# Altium PCB Layout.PcbDoc (part 2 of 3) (continued)
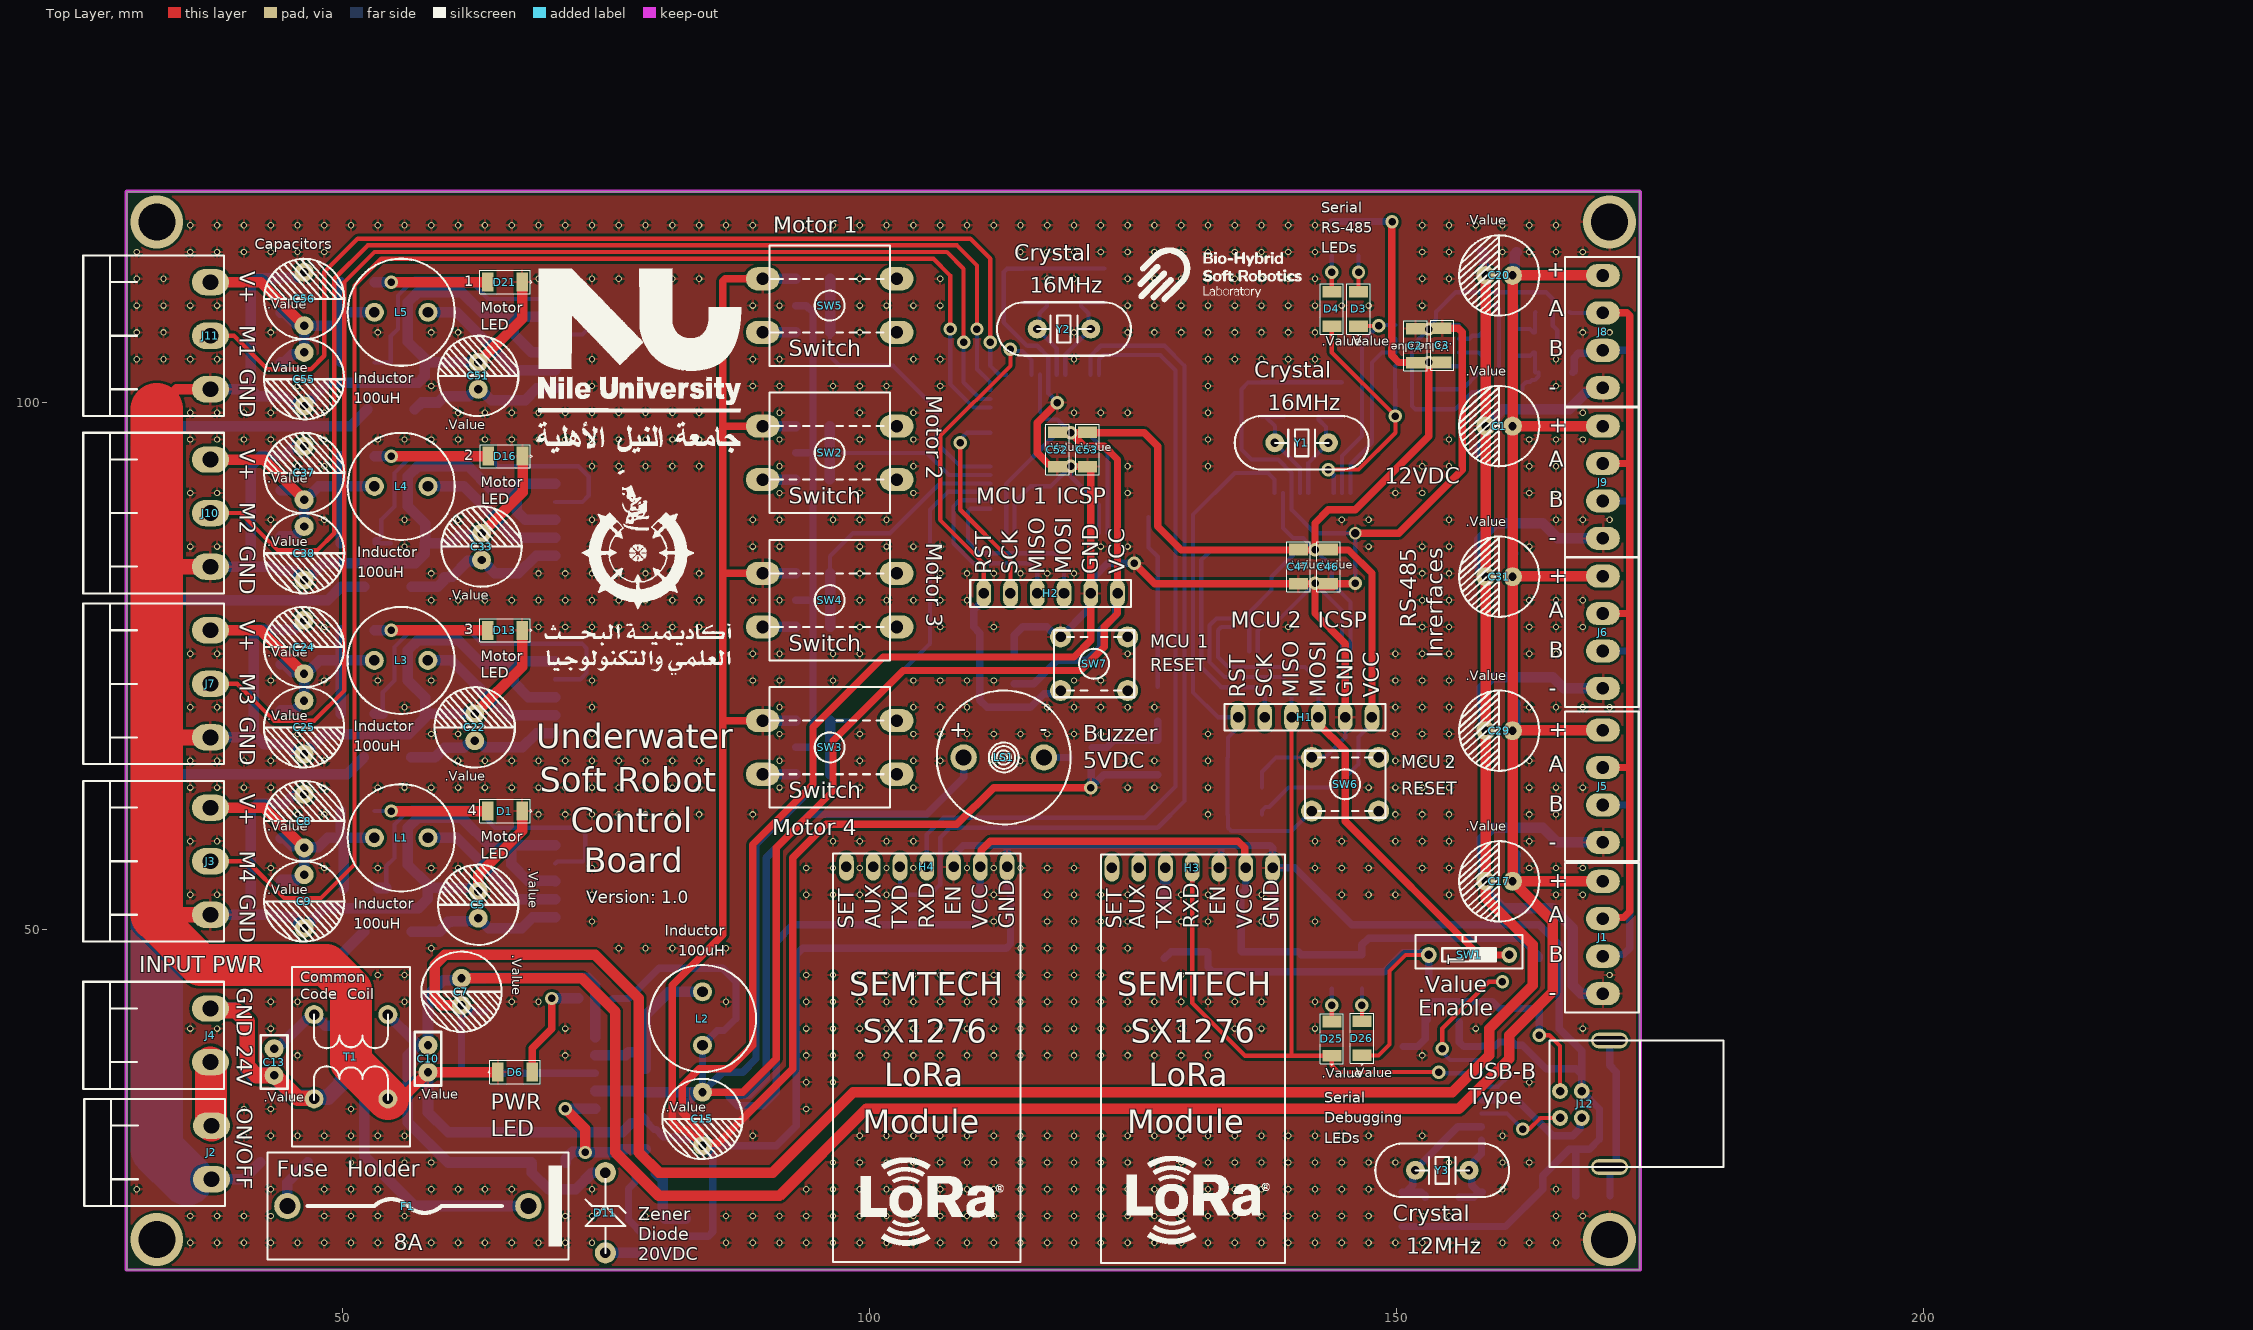
[diagram p0: Top Layer view]
## Nets (pads, with @x,y where several pads share a name; then routed paths per layer and width w, separated by ;. In a path a pad name is that pad's centre, name@x,y a point inside that pad or via, vN(x,y) a via of type N, cw(c..) or ccw(c..) an arc to the next point about the centre after c; other vN are vias at no path point) (continued)
  other v4: 170.18,20.637 170.18,117.157
NetC5_1: C5.1 C6.2 D2.2 VR1.1 | length 15.1
  Bottom Layer w1: D2.2@56.542,49.847 59.192,49.847 59.925,50.58 59.925,50.713 59.975,50.763 C6.2@60.325,50.763 60.375,50.813 62.344,50.813 62.649,51.117 62.898,51.117 63.851,50.165 66.992,50.165 68.038,51.21 VR1.1@70.175,51.21
NetC8_1: C8.1 C9.1 C11.2 C12.2 J3.3 L1.2 R3.1 R5.2 | length 31.4
  Top Layer w1: J3.3@37.465,61.595 42.545,61.595 C8.1@46.355,57.785
  Bottom Layer w1: J3.3@37.465,61.595 J3.3@37.965,61.595 ; C11.2@44.133,54.685 44.182,54.735 45.629,54.735 46.139,55.245 C9.1@46.355,55.245 C8.1@46.355,57.785 46.417,57.847 47.687,57.847 48.578,58.737 49.847,58.737 ; C12.2@44.133,58.7 44.482,58.7 45.244,57.938 ; R3.1@49.81,61.277 49.81,58.775 49.847,58.737 ; R5.2@50.128,53.975 50.128,58.383 ; L1.2@53.023,58.737 49.847,58.737
NetC13_1: C13.1 D7.1 J4.2 T1.3 | length 35.2
  Top Layer w1.5: J4.2@37.465,42.545 37.656,42.354 39.879,42.354 40.957,41.275 40.957,37.074 41.836,36.195 C13.1@43.497,36.195 43.579,36.195 45.744,34.03 47.235,34.03 T1.3@47.293,33.973
  Bottom Layer w1.5: J4.2@37.465,42.545 37.579,42.431 39.801,42.431 40.957,41.275 40.957,36.83 41.543,36.244 43.448,36.244 C13.1@43.497,36.195 45.567,34.126 47.139,34.126 T1.3@47.293,33.973 47.446,34.126 48.613,34.126 49.847,35.36 D7.1@49.847,35.56
NetC13_2: C13.2 D7.2 F1.2 T1.1 | length 38.6
  Bottom Layer w1: C13.2@43.497,38.735 43.776,38.735 47.014,41.973 T1.1@47.293,41.973 48.353,40.912 49.258,40.912 D7.2@49.847,40.322 49.847,40.123 52.07,37.9 52.07,28.575 56.832,23.812 F1.2@67.627,23.812
NetC19_2: C19.2 Q1.2 R15.2 R16.1 | length 6.8
  Bottom Layer w1: Q1.2@79.69,27.06 79.69,26.935 80.006,26.619 80.131,26.619 80.365,26.385 R16.1@80.365,25.082 C19.2@80.365,22.86 80.608,22.617 R15.2@82.55,22.617
NetC22_1: C22.1 C23.2 D14.2 VR3.1 | length 15.1
  Bottom Layer w1: D14.2@56.515,66.358 58.742,66.358 59.658,67.273 C23.2@60.008,67.273 61.507,67.273 62.18,67.945 62.834,67.945 63.469,67.31 67.042,67.31 68.405,68.673 VR3.1@70.155,68.673
NetC24_1: C24.1 C25.1 C27.2 C28.2 J7.3 L3.2 R17.1 R19.2 | length 33.5
  Top Layer w1: J7.3@37.465,78.422 42.215,78.422 C24.1@46.342,74.295
  Bottom Layer w1: C27.2@44.133,70.84 45.427,70.84 C25.1@46.342,71.755 C24.1@46.342,74.295 ; C28.2@44.133,75.21 44.482,75.21 45.244,74.448 46.189,74.448 C24.1@46.342,74.295 ; R19.2@49.81,70.485 49.81,75.528 49.847,75.565 ; R17.1@49.81,78.422 49.81,75.602 49.847,75.565 ; L3.2@53.01,75.565 49.847,75.565 ; C24.1@46.342,74.295 46.559,74.295 47.829,75.565 49.847,75.565
NetC26_2: C26.2 Q2.2 R18.2 R20.2 | length 8.3
  Bottom Layer w0.7: Q2.2@121.09,67.308 122.483,67.308 123.158,67.982 R20.2@123.507,67.982 C26.2@127.317,67.982 R18.2@127.317,69.813
NetC33_1: C33.1 C36.2 D17.2 VR4.1 | length 16.1
  Bottom Layer w1: D17.2@56.542,82.55 59.022,82.55 59.608,83.136 59.608,83.415 59.658,83.465 C36.2@60.008,83.465 60.057,83.515 60.407,83.515 61.885,84.993 63.085,84.993 C33.1@63.182,85.09 64.453,83.82 66.675,83.82 68.355,85.5 VR4.1@70.168,85.5
NetC37_1: C37.1 C38.1 C39.2 C40.2 J10.3 L4.2 R22.1 R27.2 | length 33.7
  Top Layer w1: J10.3@37.465,94.615 42.545,94.615 C37.1@46.355,90.805
  Bottom Layer w1: C39.2@44.133,87.35 45.44,87.35 C38.1@46.355,88.265 C37.1@46.355,90.805 ; C40.2@44.133,91.72 45.44,91.72 C37.1@46.355,90.805 ; R27.2@49.81,86.677 49.81,92.075 ; R22.1@49.81,94.932 49.81,92.075 ; L4.2@53.023,92.075 49.81,92.075 ; C37.1@46.355,90.805 46.472,90.805 47.742,92.075 49.81,92.075
NetC48_2: C48.2 M1.23 R35.1 Y1.1 | length 10.8
  Bottom Layer w0.4: C48.2@137.16,98.705 C48.2@137.51,98.705 ; R35.1@139.345,98.742 139.308,98.705 C48.2@137.51,98.705 ; M1.23@140.805,91.44 140.805,93.827 Y1.1@138.43,96.203 138.43,97.785 C48.2@137.51,98.705
NetC49_2: C49.2 M1.24 R35.2 Y1.2 | length 10.7
  Bottom Layer w0.4: M1.24@141.605,91.44 141.605,94.297 Y1.2@143.51,96.203 143.285,96.428 143.285,97.702 142.595,98.393 R35.2@142.595,98.742 142.632,98.705 C49.2@144.78,98.705
NetC51_1: C51.1 C54.2 D22.2 VR5.1 | length 15
  Bottom Layer w1: D22.2@56.86,99.377 57.51,100.027 59.075,100.027 59.658,100.61 C54.2@60.008,100.61 61.976,100.61 62.649,101.282 C51.1@62.865,101.282 63.081,101.282 64.104,100.26 67.31,100.26 68.425,101.375 VR5.1@70.175,101.375
NetC55_1: C55.1 C56.1 C57.2 C58.2 J11.3 L5.2 R36.1 R39.2 | length 32.7
  Top Layer w1: J11.3@37.465,111.442 42.227,111.442 C56.1@46.355,107.315
  Bottom Layer w1: C57.2@44.133,103.86 44.482,103.86 45.244,104.622 46.202,104.622 C55.1@46.355,104.775 C56.1@46.355,107.315 ; C58.2@44.133,108.547 44.482,108.547 45.562,107.468 46.202,107.468 C56.1@46.355,107.315 ; R39.2@49.81,103.897 49.81,107.315 ; R36.1@49.81,111.442 49.81,108.585 ; L5.2@53.023,108.585 49.81,108.585 ; C56.1@46.355,107.315 49.81,107.315 ; 49.81,107.315 49.81,108.585
NetC59_2: C59.2 M2.23 R38.1 Y2.1 | length 10.2
  Bottom Layer w0.4: C59.2@114.617,109.5 116.765,109.5 R38.1@116.803,109.537 116.803,109.188 116.113,108.497 116.113,107.223 Y2.1@115.887,106.998 117.743,105.142 M2.23@117.743,102.655
NetC60_2: C60.2 M2.24 R38.2 Y2.2 | length 10.5
  Bottom Layer w0.4: M2.24@118.543,102.655 118.543,104.573 Y2.2@120.968,106.998 120.742,107.223 120.742,108.497 120.052,109.188 R38.2@120.052,109.537 120.09,109.5 C60.2@122.237,109.5
NetC64_2: C64.2 M3.4 | length 3.4
  Bottom Layer w0.4: M3.4@158.03,35.134 159.599,35.134 160.623,36.158 C64.2@160.972,36.158
NetC65_2: C65.2 M3.7 R43.1 Y3.1 | length 12.9
  Bottom Layer w0.7: C65.2@150.495,25.12 C65.2@150.845,25.12 ; R43.1@152.68,24.656 152.68,24.77 152.33,25.12 C65.2@150.845,25.12 ; M3.7@158.03,31.324 155.784,31.324 151.765,27.305 Y3.1@151.765,27.196 151.497,26.928 151.497,25.772 C65.2@150.845,25.12
NetC66_2: C66.2 M3.8 R43.2 Y3.2 | length 8.2
  Bottom Layer w0.7: R43.2@155.93,24.656 157.301,24.656 C66.2@157.765,25.12 ; M3.8@158.03,30.054 158.03,28.76 156.845,27.575 Y3.2@156.845,27.196 157.113,26.928 157.113,25.772 C66.2@157.765,25.12 ; C66.2@158.115,25.12 C66.2@157.765,25.12
NetC67_2: C67.2 J12.S1 J12.S2 | length 15.4
  Bottom Layer w0.7: J12.S1@170.18,39.514 170.18,37.148 170.815,36.512 170.815,28.022 170.307,27.514 J12.S2@170.18,27.514 170.217,27.476 C67.2@170.217,24.765
NetD1_1: D1.1 R3.2 | length 10.7
  Top Layer w1: v2(54.61,61.277) D1.1@63.78,61.277
  Bottom Layer w0.4: R3.2@53.06,61.277 v2(54.61,61.277)
NetD3_1: D3.1 R1.2 | length 3.4
  Top Layer w0.4: D3.1@146.368,110.527 v2(146.368,112.395)
  Bottom Layer w0.4: v2(146.368,112.395) R1.2@146.368,113.945
NetD4_1: D4.1 R2.2 | length 3.4
  Top Layer w0.4: D4.1@143.827,110.527 v2(143.827,112.395)
  Bottom Layer w0.4: v2(143.827,112.395) R2.2@143.827,113.945
NetD5_2: D5.2 F1.1 | length 4.9
  Bottom Layer w1: F1.1@44.767,23.812 44.767,26.008 D5.2@46.7,27.94
NetD6_1: D6.1 R8.2 | length 10.3
  Top Layer w0.7: D6.1@67.982,36.512 67.982,38.772 69.85,40.64 v2(69.85,43.497)
  Bottom Layer w1: v2(69.85,43.497) R8.2@72.353,43.497
NetD8_2: D8.2 L1.1 VR1.2 | length 14.6
  Bottom Layer w1: L1.1@58.102,58.737 60.842,58.737 65.722,53.857 65.722,53.71 66.523,52.91 VR1.2@70.175,52.91
NetD9_2: D9.2 L2.1 VR2.2 | length 16.3
  Bottom Layer w1: VR2.2@73.977,38.12 76.855,38.12 77.153,38.417 78.74,38.417 ; D9.2@78.74,36.83 78.74,37.53 78.74,38.417 ; L2.1@84.138,44.133 80.962,44.133 78.74,41.91 78.74,38.417
NetD11_1: D11.1 R15.1 | length 7.6
  Bottom Layer w1: D11.1@74.93,19.367 R15.1@82.55,19.367
NetD12_2: D12.2 R6.1 R10.2 R11.1 | length 6.4
  Bottom Layer w0.4: R10.2@161.327,104.457 162.628,104.457 162.948,104.777 D12.2@163.073,104.777 163.115,104.735 163.115,102.912 R11.1@163.158,102.87 ; R6.1@161.925,101.282 161.925,101.632 162.275,101.983 162.625,101.983 162.812,102.17 163.088,102.17 163.438,102.52 R11.1@163.438,102.87
NetD12_3: D12.3 R12.2 R13.1 R14.2 | length 6
  Bottom Layer w0.4: R14.2@161.327,109.22 161.327,106.998 162.628,106.998 162.948,106.678 D12.3@163.073,106.678 163.115,106.72 163.115,108.543 R13.1@163.158,108.585
NetD13_1: D13.1 R17.2 | length 10.7
  Top Layer w1: v2(54.61,78.422) D13.1@63.78,78.422
  Bottom Layer w1: R17.2@53.06,78.422 v2(54.61,78.422)
NetD15_2: D15.2 L3.1 VR3.2 | length 14.3
  Bottom Layer w1: L3.1@58.09,75.565 60.325,75.565 65.023,70.867 65.223,70.867 65.722,70.367 D15.2@65.722,70.168 ; D15.2@65.835,70.372 VR3.2@70.155,70.372
NetD16_1: D16.1 R22.2 | length 10.8
  Top Layer w1: v2(54.61,94.932) D16.1@63.817,94.932
  Bottom Layer w1: R22.2@53.06,94.932 v2(54.61,94.932)
NetD18_2: D18.2 L4.1 VR4.2 | length 14.2
  Bottom Layer w1: L4.1@58.102,92.075 61.477,92.075 66.04,87.512 66.04,87.312 66.153,87.2 VR4.2@70.168,87.2
NetD19_2: D19.2 H3.5 | length 3.9
  Bottom Layer w0.4: D19.2@127.953,52.07 D19.2@128.052,52.17
  Bottom Layer w1: D19.2@128.052,52.17 H3.5@128.052,55.88
NetD21_1: D21.1 R36.2 | length 10.7
  Top Layer w1: v2(54.61,111.442) D21.1@63.78,111.442
  Bottom Layer w1: R36.2@53.06,111.442 v2(54.61,111.442)
NetD24_2: D24.2 L5.1 VR5.2 | length 14.5
  Bottom Layer w1: L5.1@58.102,108.585 60.842,108.585 66.04,103.387 66.04,103.188 66.153,103.075 VR5.2@70.175,103.075
NetD25_1: D25.1 R41.2 | length 3.1
  Top Layer w0.4: D25.1@143.827,41.312 v2(143.827,42.862)
  Bottom Layer w0.4: v2(143.827,42.862) R41.2@143.827,44.413
NetD26_1: D26.1 R42.2 | length 3.1
  Top Layer w0.4: D26.1@146.685,41.35 v2(146.685,42.862)
  Bottom Layer w0.4: v2(146.685,42.862) R42.2@146.685,44.413
NetD28_2: D28.2 M3.2 | length 16
  Top Layer w0.4: v2(154.305,38.735) 154.305,40.64 158.75,45.085 v2(160.02,45.085)
  Bottom Layer w0.4: v2(154.305,38.735) 154.305,38.417 155.049,37.674 M3.2@158.03,37.674 ; D28.2@157.797,45.085 v2(160.02,45.085)
NetH1_3: H1.3 M1.2 SW1.2 | length 49.8
  Top Layer w0.7: H1.3@142.558,70.168 142.558,69.568 145.097,67.028 145.097,60.325 157.797,47.625 SW1.2@160.655,47.625
  Bottom Layer w0.4: M1.2@134.505,78.74 133.35,78.74 133.032,78.422 133.032,75.882 133.985,74.93 141.287,74.93 142.558,73.66 H1.3@142.558,70.168
NetJ2_2: J2.2 J4.1 | length 12.1
  Top Layer w3: J4.1@37.465,37.465 37.515,37.415 37.515,31.482 J2.2@37.565,31.432
  Bottom Layer w0.254: J4.1@37.465,37.465 J4.1@37.515,37.415 ; J2.2@37.515,31.482 J2.2@37.565,31.432
  Bottom Layer w3: J2.2@37.515,31.482 J4.1@37.515,37.415
NetLS1_2: LS1.2 Q2.1 | length 2.4
  Bottom Layer w0.7: LS1.2@116.522,66.358 Q2.1@118.94,66.358
NetQ1_1: Q1.1 R7.2 VR2.5 | length 16.1
  Top Layer w1: v2(71.12,33.02) 73.025,31.115 v2(73.025,28.892)
  Bottom Layer w1: v2(71.12,33.02) VR2.5@73.977,33.02 ; R7.2@71.157,27.94 71.157,28.29 71.812,28.944 72.973,28.944 v2(73.025,28.892) 76.1,28.892 76.418,29.21 Q1.1@78.74,29.21
NetR5_1: R5.1 R9.2 VR1.4 | length 32.3
  Bottom Layer w0.4: 54.134,53.975 54.134,56.039 54.923,56.828 54.923,60.003 56.515,61.595 62.547,61.595 64.453,59.69 72.39,59.69 73.025,59.055 73.025,56.727 72.791,56.493 70.358,56.493 VR1.4@70.175,56.31
  Bottom Layer w1: R5.1@53.377,53.975 54.134,53.975
NetR10_1: R10.1 U1.7 | length 2.3
  Bottom Layer w0.4: U1.7@155.892,104.775 157.76,104.775 R10.1@158.078,104.457
NetR12_1: R12.1 U1.6 | length 2.4
  Bottom Layer w0.4: U1.6@155.892,106.075 156.875,106.075 157.162,106.362 157.759,106.362 R12.1@158.078,106.68
NetR19_1: R19.1 R21.2 VR3.4 | length 33
  Bottom Layer w0.4: 53.816,70.485 53.816,72.549 54.927,73.66 54.927,76.835 56.832,78.74 61.595,78.74 63.182,77.153 72.707,77.153 73.138,76.722 73.138,74.358 72.552,73.773 VR3.4@70.155,73.773
  Bottom Layer w1: R19.1@53.06,70.485 53.816,70.485
NetR25_1: R25.1 SW2.2 | length 3.1
  Bottom Layer w1: SW2.2@89.852,92.71 R25.1@92.953,92.71
NetR26_1: R26.1 SW3.2 | length 3.1
  Bottom Layer w1: SW3.2@89.852,64.77 R26.1@92.99,64.77
NetR27_1: R27.1 R28.2 VR4.4 | length 34.5
  Bottom Layer w0.4: R28.2@54.573,86.677 R27.1@53.06,86.677 53.06,87.027 53.11,87.077 53.472,87.077 53.657,87.263 53.657,88.9 54.927,90.17 54.927,93.345 56.832,95.25 63.5,95.25 64.77,93.98 72.39,93.98 73.343,93.027 73.343,91.186 72.757,90.6 VR4.4@70.168,90.6
NetR32_1: R32.1 SW4.2 | length 3.1
  Bottom Layer w1: SW4.2@89.852,78.74 R32.1@92.99,78.74
NetR34_1: R34.1 SW5.2 | length 3.1
  Bottom Layer w1: SW5.2@89.852,106.68 R34.1@92.99,106.68
NetR39_1: R39.1 R40.2 VR5.4 | length 33.3
  Bottom Layer w0.4: R39.1@53.06,103.822 R40.2@54.573,103.822 54.573,106.325 55.245,106.998 55.245,110.172 56.832,111.76 61.912,111.76 63.817,109.855 72.39,109.855 73.343,108.902 73.343,107.061 72.757,106.475 VR5.4@70.175,106.475
PA3: M2.48 R18.1 | length 16.5
  Bottom Layer w0.4: M2.48@126.443,89.155 126.443,86.282 127.317,85.407 R18.1@127.317,73.062
PB1: H2.5 M2.11 | length 19.7
  Top Layer w0.4: v2(108.585,96.203) 108.585,89.852 113.347,85.09 H2.5@113.347,81.915
  Bottom Layer w0.4: v2(108.585,96.203) 108.585,96.52 109.22,97.155 M2.11@111.442,97.155
PB1': H1.5 M1.11 | length 22.9
  Bottom Layer w0.4: M1.11@134.505,85.94 132.295,85.94 131.445,85.09 131.445,74.93 133.35,73.025 136.843,73.025 137.477,72.39 H1.5@137.477,70.168
PB4: J3.2 M2.14 | length 144.6
  Top Layer w0.4: J3.2@37.465,56.515 40.957,56.515 44.45,53.023 47.942,53.023 51.117,56.197 51.117,111.125 53.657,113.665 106.045,113.665 107.632,112.078 v3(107.632,106.998)
  Bottom Layer w0.4: v3(107.632,106.998) 107.632,101.778 109.855,99.555 M2.14@111.442,99.555
PB5: J7.2 M2.15 | length 128.6
  Top Layer w0.4: J7.2@37.465,73.343 40.005,73.343 43.497,69.85 47.307,69.85 50.165,72.707 50.165,111.442 53.023,114.3 107.315,114.3 108.902,112.712 v3(108.902,105.727)
  Bottom Layer w0.4: v3(108.902,105.727) 108.902,101.943 110.49,100.355 M2.15@111.442,100.355
PB6: J10.2 M2.16 | length 113.4
  Top Layer w0.4: J10.2@37.465,89.535 40.322,89.535 43.815,86.042 47.625,86.042 49.212,87.63 49.212,111.76 52.387,114.935 108.267,114.935 110.172,113.03 v3(110.172,106.998)
  Bottom Layer w0.4: v3(110.172,106.998) 110.172,103.188 111.442,101.917 M2.16@111.442,101.155
PB7: J11.2 M2.17 | length 97.9
  Top Layer w0.4: J11.2@37.465,106.362 39.688,106.362 42.862,103.188 46.99,103.188 48.26,104.457 48.26,112.395 51.435,115.57 109.537,115.57 111.442,113.665 v3(111.442,105.727)
  Bottom Layer w0.4: v3(111.442,105.727) 111.442,103.505 112.292,102.655 M2.17@112.943,102.655
PD2: H4.5 M2.27 | length 88.7
  Bottom Layer w0.4: H4.5@102.87,55.98 102.87,53.975 103.505,53.34 105.727,53.34 106.68,54.292 106.68,58.737 107.632,59.69 127.317,59.69 129.857,62.23 129.857,103.505 127.953,105.41 121.92,105.41 120.943,104.433 M2.27@120.943,102.655
PD2': D4.2 M1.27 R4.1 U1.1 | length 27.6
  Top Layer w0.4: v2(143.51,93.662) 146.368,93.662 149.86,97.155 v2(149.86,98.742) 143.827,104.775 D4.2@143.827,107.278
  Bottom Layer w0.4: v2(143.51,93.662) 144.005,93.168 M1.27@144.005,91.44 ; U1.1@149.842,103.475 149.823,103.455 R4.1@149.823,101.282 149.841,101.264 149.841,98.761 v2(149.86,98.742)
PD3: H4.4 M2.28 | length 77.5
  Bottom Layer w0.4: H4.4@105.41,55.98 105.41,59.055 106.998,60.642 126.047,60.642 129,63.595 129,103.093 127.552,104.541 122.154,104.541 121.743,104.129 M2.28@121.743,102.655
PD3': D3.2 M1.28 U1.4 | length 20.8
  Top Layer w0.4: D3.2@146.368,107.278 148.235,107.278 v2(148.273,107.315)
  Bottom Layer w0.4: M1.28@144.805,91.44 144.805,94.957 146.685,96.837 146.685,105.727 148.332,107.375 U1.4@149.842,107.375
PD4': M1.29 U1.2 U1.3 | length 17.1
  Bottom Layer w0.4: M1.29@145.605,91.44 145.605,94.17 147.637,96.203 147.637,103.822 148.59,104.775 U1.2@149.842,104.775 U1.3@149.842,106.075
PE0: H2.3 M2.2 | length 16.9
  Bottom Layer w0.4: M2.2@111.442,89.955 109.557,89.955 109.323,89.721 109.323,86.892 110.49,85.725 117.475,85.725 118.427,84.772 H2.3@118.427,82.867
PE0': D19.1 D26.2 D28.1 R29.2 SW1.1 | length 44.7
  Top Layer w0.4: D26.2@146.685,38.1 148.273,38.1 149.298,39.126 149.298,46.111 150.812,47.625 SW1.1@153.035,47.625
  Bottom Layer w0.7: D19.1@127.953,47.307 128.588,47.942 R29.2@132.043,47.942 132.082,47.903 132.082,46.448 132.493,46.038 148.824,46.038 150.605,47.818 152.842,47.818 SW1.1@153.035,47.625 D28.1@153.035,45.085
PE1: H2.4 M2.3 | length 18.4
  Bottom Layer w0.4: M2.3@111.442,90.755 108.535,90.755 107.95,90.17 107.95,86.677 109.855,84.772 115.252,84.772 115.887,84.138 H2.4@115.887,81.915
PE1': D25.2 H1.4 H3.4 M1.3 M3.3 | length 93.3
  Top Layer w0.4: H3.4@130.592,55.88 130.592,43.08 135.61,38.063 140.017,38.063 ; H1.4@140.017,70.168 140.017,38.063 ; v2(153.987,36.512) 144.463,36.512 143.827,37.148 D25.2@143.827,38.063 140.017,38.063
  Bottom Layer w0.4: M1.3@134.505,79.54 132.88,79.54 132.237,78.897 132.237,75.408 133.667,73.977 139.065,73.977 140.017,73.025 H1.4@140.017,70.168 ; v2(153.987,36.512) 154.096,36.404 M3.3@158.03,36.404
PE2: C35.2 M2.4 R24.1 R26.2 | length 36.7
  Bottom Layer w0.4: C35.2@96.24,69.85 98.425,69.85 105.727,77.153 105.727,89.852 107.43,91.555 M2.4@111.442,91.555
  Bottom Layer w1: R26.2@96.24,64.77 R24.1@96.24,67.31 C35.2@96.24,69.85
PE3: C43.2 M2.5 R30.1 R32.2 | length 24.8
  Bottom Layer w0.4: C43.2@96.24,83.82 96.24,85.445 98.425,87.63 101.917,87.63 106.643,92.355 M2.5@111.442,92.355
  Bottom Layer w1: R32.2@96.24,78.74 R30.1@96.24,81.28 C43.2@96.24,83.82
PE4: C34.2 M2.6 R23.1 R25.2 | length 21.2
  Bottom Layer w0.4: R25.2@96.203,92.71 R25.2@96.221,92.729 ; C34.2@96.221,97.771 C34.2@96.24,97.79 ; R23.1@96.24,95.25 105.41,95.25 107.505,93.155 M2.6@111.442,93.155
  Bottom Layer w1: R25.2@96.221,92.729 C34.2@96.221,97.771
PE5: C44.2 M2.7 R31.1 R34.2 | length 28.7
  Bottom Layer w0.4: R34.2@96.24,106.68 96.24,104.42 97.155,103.505 102.235,103.505 106.362,99.377 106.362,96.203 108.61,93.955 M2.7@111.442,93.955
  Bottom Layer w1: R34.2@96.24,106.68 R31.1@96.24,109.22 C44.2@96.24,111.76
RESET: C50.2 D23.2 H2.6 M2.20 R37.2 SW7.2 | length 50.8
  Top Layer w0.4: H2.6@110.807,81.915 110.807,84.772 106.68,88.9 106.68,96.837 113.347,103.505 v3(113.347,105.093)
  Bottom Layer w0.4: v3(113.347,105.093) 113.514,104.926 114.466,104.926 115.343,104.05 M2.20@115.343,102.655
  Bottom Layer w0.7: H2.6@110.807,81.915 110.807,81.315 109.855,80.363 D23.2@109.855,78.74 110.453,78.142 C50.2@110.453,75.882 R37.2@110.453,73.343 110.453,71.792 111.125,71.12 115.252,71.12 116.534,72.401 117.804,72.401 SW7.2@118.11,72.707
RESET': C45.2 D20.2 H1.6 M1.20 R33.2 SW6.2 | length 52.8
  Bottom Layer w0.4: M1.20@138.405,91.44 138.405,92.735 137.795,93.345 134.62,93.345 130.668,89.393 130.668,72.532 133.032,70.168 H1.6@134.938,70.168 134.938,69.297 134.595,68.954 134.595,68.872 133.985,68.263 D20.2@133.985,66.358 133.948,66.32 C45.2@133.948,63.5 R33.2@133.948,60.96 133.981,60.927 133.981,59.694 134.303,59.372 140.017,59.372 SW6.2@141.922,61.277
USB_D_N: J12.2 M3.6 | length 8.5
  Top Layer w0.4: v2(161.925,31.115) 162.56,31.115 163.609,32.164 J12.2@165.48,32.164
  Bottom Layer w0.4: M3.6@158.03,32.594 160.446,32.594 v2(161.925,31.115)
USB_D_P: J12.3 M3.5 | length 12.1
  Bottom Layer w0.7: M3.5@158.03,33.864 161.399,33.864 164.782,30.48 166.688,30.48 167.396,31.189 167.396,32.03 J12.3@167.53,32.164
VBB: D2.1 D5.1 D14.1 D17.1 D22.1 J2.1 | length 160.6
  Bottom Layer w1: 32.359,81.28 48.578,81.28 49.847,82.55 D17.1@52.043,82.55 ; 32.359,95.542 34.608,97.79 50.773,97.79 D22.1@52.36,99.377 ; 32.385,47.625 49.82,47.625 D2.1@52.043,49.847 ; 32.385,64.77 50.428,64.77 D14.1@52.015,66.358 ; 35.242,26.352 J2.1@37.565,26.352 40.613,26.352 D5.1@42.2,27.94
  Bottom Layer w5: 32.359,68.731 32.359,81.28 32.359,95.542 ; 32.385,68.705 32.385,64.77 32.385,47.625 32.385,29.21 35.242,26.352
VCC: C2.2 C3.2 C15.1 C16.2 C41.2 C42.2 C46.2 C47.2 C52.2 C53.2 C61.2 C62.2 D10.2 D27.2 H1.1 H2.1 H3.2 H4.2 L2.2 LS1.1 M1.21 M1.52 M1.64 M2.21 M2.52 M2.64 R1.1 R2.1 R4.2 R8.1 R14.1 R23.2 R24.2 R29.1 R30.2 R31.2 R33.1 R37.1 R41.1 R42.1 U1.8 VR2.4 | length 595.9
  Top Layer w0.7: C15.1@84.138,34.608 87.947,34.608 91.123,37.782 91.123,57.785 96.52,63.182 96.52,67.945 103.188,74.612 120.015,74.612 122.237,76.835 122.237,78.74 123.507,80.01 H2.1@123.507,81.915 ; H4.2@110.49,55.98 110.565,56.055 110.565,57.543 111.442,58.42 134.938,58.42 135.578,57.78 135.578,55.975 H3.2@135.672,55.88 ; H2.1@123.507,82.867 123.507,94.615 122.237,95.885 120.332,95.885 v3(119.062,97.155) 120.65,97.155 126.047,97.155 127.317,95.885 127.317,88.265 129.54,86.042 v2(142.24,86.042) ; H1.1@147.637,70.168 147.637,83.82 145.415,86.042 v2(142.24,86.042) ; v2(149.542,117.157) 149.505,117.12 149.505,104.495 150.177,103.822 v2(153.035,103.822) ; C2.2@151.784,103.804 153.016,103.804 153.035,103.785 153.035,96.837 146.05,89.852 143.51,89.852 142.24,88.582 v2(142.24,86.042)
  Bottom Layer w0.4: M2.64@112.943,87.655 112.943,92.305 117.792,97.155 v3(119.062,97.155) ; M2.21@116.143,102.655 116.143,99.122 116.84,98.425 117.792,98.425 v3(119.062,97.155) ; M2.52@122.543,87.655 122.543,95.262 120.65,97.155 v3(119.062,97.155) ; M1.64@136.005,76.44 136.005,80.125 138.112,82.233 138.112,83.502 140.653,86.042 v2(142.24,86.042) ; R33.1@137.197,60.96 137.197,61.31 137.547,61.66 137.897,61.66 139.737,63.5 144.145,63.5 146.368,65.722 146.368,68.298 147.637,69.568 H1.1@147.637,70.168 ; M1.21@139.205,91.44 139.205,88.125 140.163,87.167 141.116,87.167 v2(142.24,86.042) ; M1.52@145.605,76.44 145.605,81.09 143.827,82.867 143.827,84.455 v2(142.24,86.042) ; v2(153.035,103.822) 153.054,103.804 153.054,101.301 R4.2@153.072,101.282 156.21,101.282 157.797,102.87 159.385,102.87 159.702,103.188 159.702,108.902 159.385,109.22 R14.1@158.078,109.22 ; v2@153.383,103.475 U1.8@155.892,103.475
  Bottom Layer w0.7: R8.1@75.602,43.497 77.153,43.497 80.01,46.355 86.042,46.355 87.312,45.085 87.312,41.593 86.176,40.456 85.541,40.456 L2.2@84.138,39.052 C15.1@84.138,34.608 ; 77.675,34.72 77.787,34.608 ; C16.2@81.915,33.375 82.265,33.725 82.899,33.725 83.781,34.608 C15.1@84.138,34.608 ; R24.2@92.99,67.31 94.615,67.31 ; R30.2@92.99,81.28 94.615,81.28 ; R23.2@92.99,95.25 94.615,95.25 ; R31.2@92.99,109.22 93.98,109.22 94.615,108.585 94.615,95.25 ; LS1.1@108.902,66.358 108.902,64.453 105.41,60.96 94.297,60.96 90.17,56.832 90.17,35.877 88.582,34.29 D10.2@86.677,34.29 ; H4.2@110.49,55.98 110.49,53.727 110.135,53.372 C41.2@110.135,53.023 C42.2@110.135,50.482 92.71,50.482 91.123,48.895 91.123,34.608 89.852,33.337 87.478,33.337 86.677,34.138 D10.2@86.677,34.29 ; R37.1@113.702,73.343 115.57,73.343 117.792,75.565 120.65,75.565 121.92,76.835 121.92,78.422 123.323,79.826 123.323,81.731 H2.1@123.507,81.915 ; H3.2@135.672,55.88 135.672,53.827 135.217,53.372 C61.2@135.217,53.023 C62.2@135.217,50.482 135.255,50.445 135.255,47.98 R29.1@135.292,47.942 140.639,47.942 140.919,47.662 R41.1@143.827,47.662 R42.1@146.685,47.662 ; R2.1@143.827,117.195 R1.1@146.368,117.195 v2@149.505,117.195 ; R42.1@146.685,47.662 146.686,48.578 147.32,49.212 161.807,49.212 163.512,47.507 D27.2@163.512,47.307 ; C15.1@84.138,34.608 86.042,36.512 87.947,36.512 89.218,37.782 89.218,58.102 94.615,63.5 94.615,67.31 ; C15.1@84.138,34.608 86.36,34.608 D10.2@86.677,34.29 ; 94.615,67.31 94.615,81.28 ; 94.615,81.28 94.615,95.25
  Bottom Layer w1: VR2.4@73.977,34.72 77.675,34.72 ; 77.787,34.608 C15.1@83.781,34.608
VIN: C1.1 C4.2 C7.1 C10.2 C14.2 C17.1 C18.2 C20.1 C21.2 C29.1 C30.2 C31.1 C32.2 D11.2 J1.4 J5.4 J6.4 J8.4 J9.4 R7.1 T1.2 VR2.1 | length 315.7
  Top Layer w0.4: C29.1@160.972,68.897 C29.1@161.001,68.926 ; C31.1@160.972,83.502 C31.1@161.001,83.531 ; J5.4@169.516,68.926 J5.4@169.545,68.955 ; J6.4@169.516,83.531 J6.4@169.545,83.56
  Top Layer w1: C7.1@61.277,45.402 72.708,45.402 75.882,42.228 75.882,28.893 80.01,24.765 91.44,24.765 99.695,33.02 155.892,33.02 160.655,37.782 160.655,40.005 164.782,44.133 164.782,50.8 C17.1@160.972,54.61 ; C29.1@161.001,68.926 J5.4@169.516,68.926 ; C31.1@161.001,83.531 J6.4@169.516,83.531 ; J1.4@169.545,54.61 C17.1@160.972,54.61 ; J9.4@169.545,97.79 C1.1@160.972,97.79 ; J8.4@169.545,112.078 C20.1@160.972,112.078 C1.1@160.972,97.79 ; C17.1@160.972,54.61 C29.1@160.972,68.897 C31.1@160.972,83.502 C1.1@160.972,97.79
  Bottom Layer w0.4: C1.1@160.972,97.79 C1.1@161.01,97.753 ; C32.2@161.01,95.287 C32.2@161.047,95.25
  Bottom Layer w1: T1.2@54.293,41.973 56.945,39.32 ; VR2.1@73.977,39.82 73.977,44.767 73.268,45.477 C14.2@63.5,45.477 63.463,45.44 61.315,45.44 C7.1@61.277,45.402 61.119,45.244 59.531,45.244 58.102,43.815 C10.2@58.102,39.052 57.15,39.052 56.197,38.1 56.197,31.75 60.008,27.94 R7.1@67.908,27.94 67.958,27.89 67.958,26.975 69.533,25.4 72.119,25.4 73.707,26.987 D11.2@74.93,26.987 ; C17.1@160.972,54.61 160.972,54.826 161.24,55.094 161.24,57.1 C4.2@161.29,57.15 ; C29.1@160.972,68.897 160.972,69.114 161.24,69.381 161.24,71.388 C18.2@161.29,71.438 ; C31.1@160.972,83.502 161.01,83.54 161.01,85.688 C30.2@161.047,85.725 ; C20.1@160.972,112.078 161.169,112.274 161.169,114.104 C21.2@161.365,114.3 ; C32.2@161.01,95.287 C1.1@161.01,97.753
VU: C63.2 D27.1 J12.1 M3.16 | length 26.2
  Top Layer w0.4: v2(163.512,40.005) 164.466,40.005 165.48,38.991 J12.1@165.48,34.714
  Bottom Layer w0.7: M3.16@150.58,38.944 151.974,38.944 152.68,39.65 C63.2@152.68,41.625 ; C63.2@152.68,41.275 152.88,41.475 152.88,42.77 153.29,43.18 159.067,43.18 159.702,42.545 D27.1@163.512,42.545 v2(163.512,40.005)
pads on no net: H3.6 H3.7 H4.6 H4.7 M1.1 M1.4 M1.5 M1.6 M1.7 M1.8 M1.9 M1.10 M1.12 M1.13 M1.14 M1.15 M1.16 M1.17 M1.18 M1.19 M1.25 M1.26 M1.30 M1.31 M1.32 M1.33 M1.34 M1.35 M1.36 M1.37 M1.38 M1.39 M1.40 M1.41 M1.42 M1.43 M1.44 M1.45 M1.46 M1.47 M1.48 M1.49 M1.50 M1.51 M1.54 M1.55 M1.56 M1.57 M1.58 M1.59 M1.60 M1.61 M1.62 M2.1 M2.8 M2.9 M2.10 M2.12 M2.13 M2.18 M2.19 M2.25 M2.26 M2.29 M2.30 M2.31 M2.32 M2.33 M2.34 M2.35 M2.36 M2.37 M2.38 M2.39 M2.40 M2.41 M2.42 M2.43 M2.44 M2.45 M2.46 M2.47 M2.49 M2.50 M2.51 M2.54 M2.55 M2.56 M2.57 M2.58 M2.59 M2.60 M2.61 M2.62 M3.9 M3.10 M3.11 M3.12 M3.13 M3.14 M3.15 SW2.3 SW2.4 SW3.3 SW3.4 SW4.3 SW4.4 SW5.3 SW5.4 SW6.3 SW6.4 SW7.3 SW7.4 VR1.6 VR2.6 VR3.6 VR4.6 VR5.6
copper on no net:
  other v4: 32.385,20.637 32.385,117.157

## Polygon pours and split planes (outlines as drawn)
GND on Bottom Layer "GND" (solid, remove dead copper, pour order 7): 29.845,119.697 172.72,119.697 172.72,18.098 29.845,18.098
GND on Bottom Layer "GND" (solid, shelved, pour order 5): 84.772,132.398 227.012,132.398 227.012,31.432 84.772,31.432
GND on Bottom Layer "GND_L02_P003" (solid, pour order 3): 80.962,31.75 88.582,31.75 88.582,24.447 80.962,24.447 80.962,28.258
VCC on Bottom Layer "VCC_L02_P002" (solid, pour order 2): 80.645,41.593 91.757,41.593 91.757,32.703 80.645,32.703 80.645,38.1
GND on Bottom Layer "GND_L02_P000" (solid, pour order 0): 116.522,94.932 121.92,94.932 121.92,92.392 116.522,92.392
GND on Top Layer "GND" (solid, remove dead copper, pour order 8): 172.72,119.856 29.527,119.856 29.527,18.098 172.72,18.098
GND on Top Layer "GND_L01_P001" (solid, pour order 1): 80.645,33.02 88.582,33.02 88.582,28.575 80.645,28.575

## Keep-outs
Keep-Out Layer:
  lines w0.2: 29.427,17.78 ccw(c29.527,17.78) 29.527,17.68 ; 29.427,17.78 ccw(c29.527,17.78) 29.527,17.68 ; 29.427,17.78 29.427,23.177 29.427,120.015 ; 29.427,120.015 cw(c29.527,120.015) 29.527,120.115 ; 29.427,120.015 cw(c29.527,120.015) 29.527,120.115 ; 29.527,17.68 173.037,17.68 ; 29.527,120.115 173.037,120.115 ; 173.037,17.68 ccw(c173.037,17.78) 173.138,17.78 ; 173.037,17.68 ccw(c173.037,17.78) 173.138,17.78 ; 173.037,120.115 cw(c173.037,120.015) 173.138,120.015 ; 173.037,120.115 cw(c173.037,120.015) 173.138,120.015 ; 173.138,17.78 173.138,120.015 ; 29.527,17.78 29.527,23.177 29.527,120.015 173.037,120.015 173.037,17.78 29.527,17.78